# Altium PCB JDC-858D+HAKKO907.PcbDoc (part 1 of 2)
Units mm, origin at the board's own origin, x right, y up, seen from the top; angles counter-clockwise.
Board outline 83 x 150 mm, 2 copper layers (Top Layer, Bottom Layer); 168 components, 101 nets, 415 pads, 39 vias.
Unrouted connection lines stored in the file: 10.
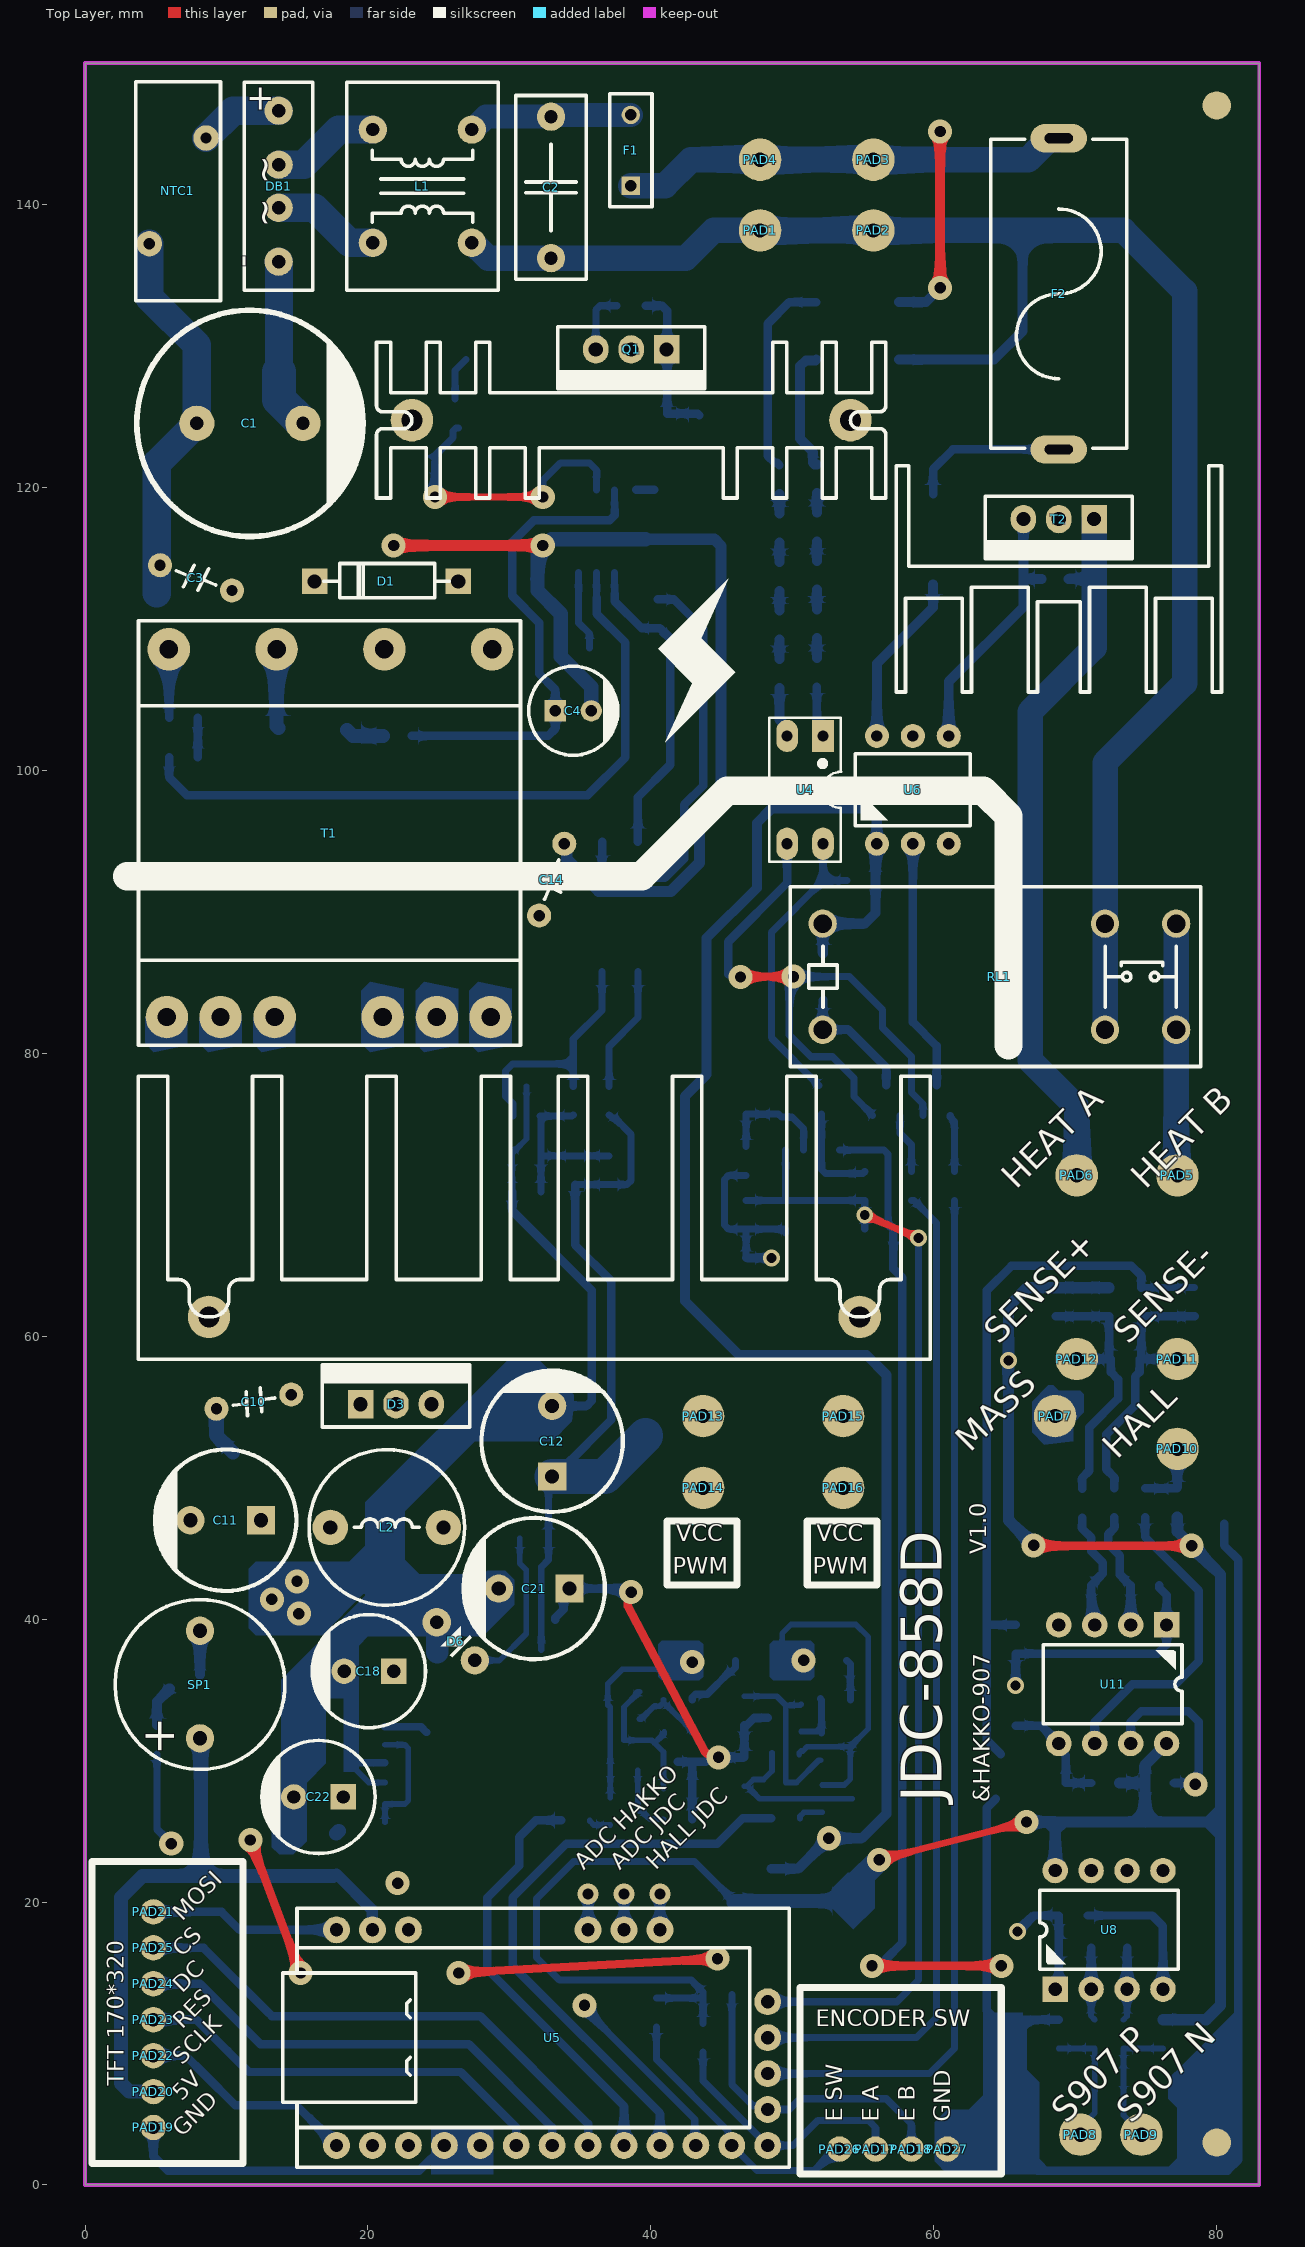
[diagram p0: Top Layer view]
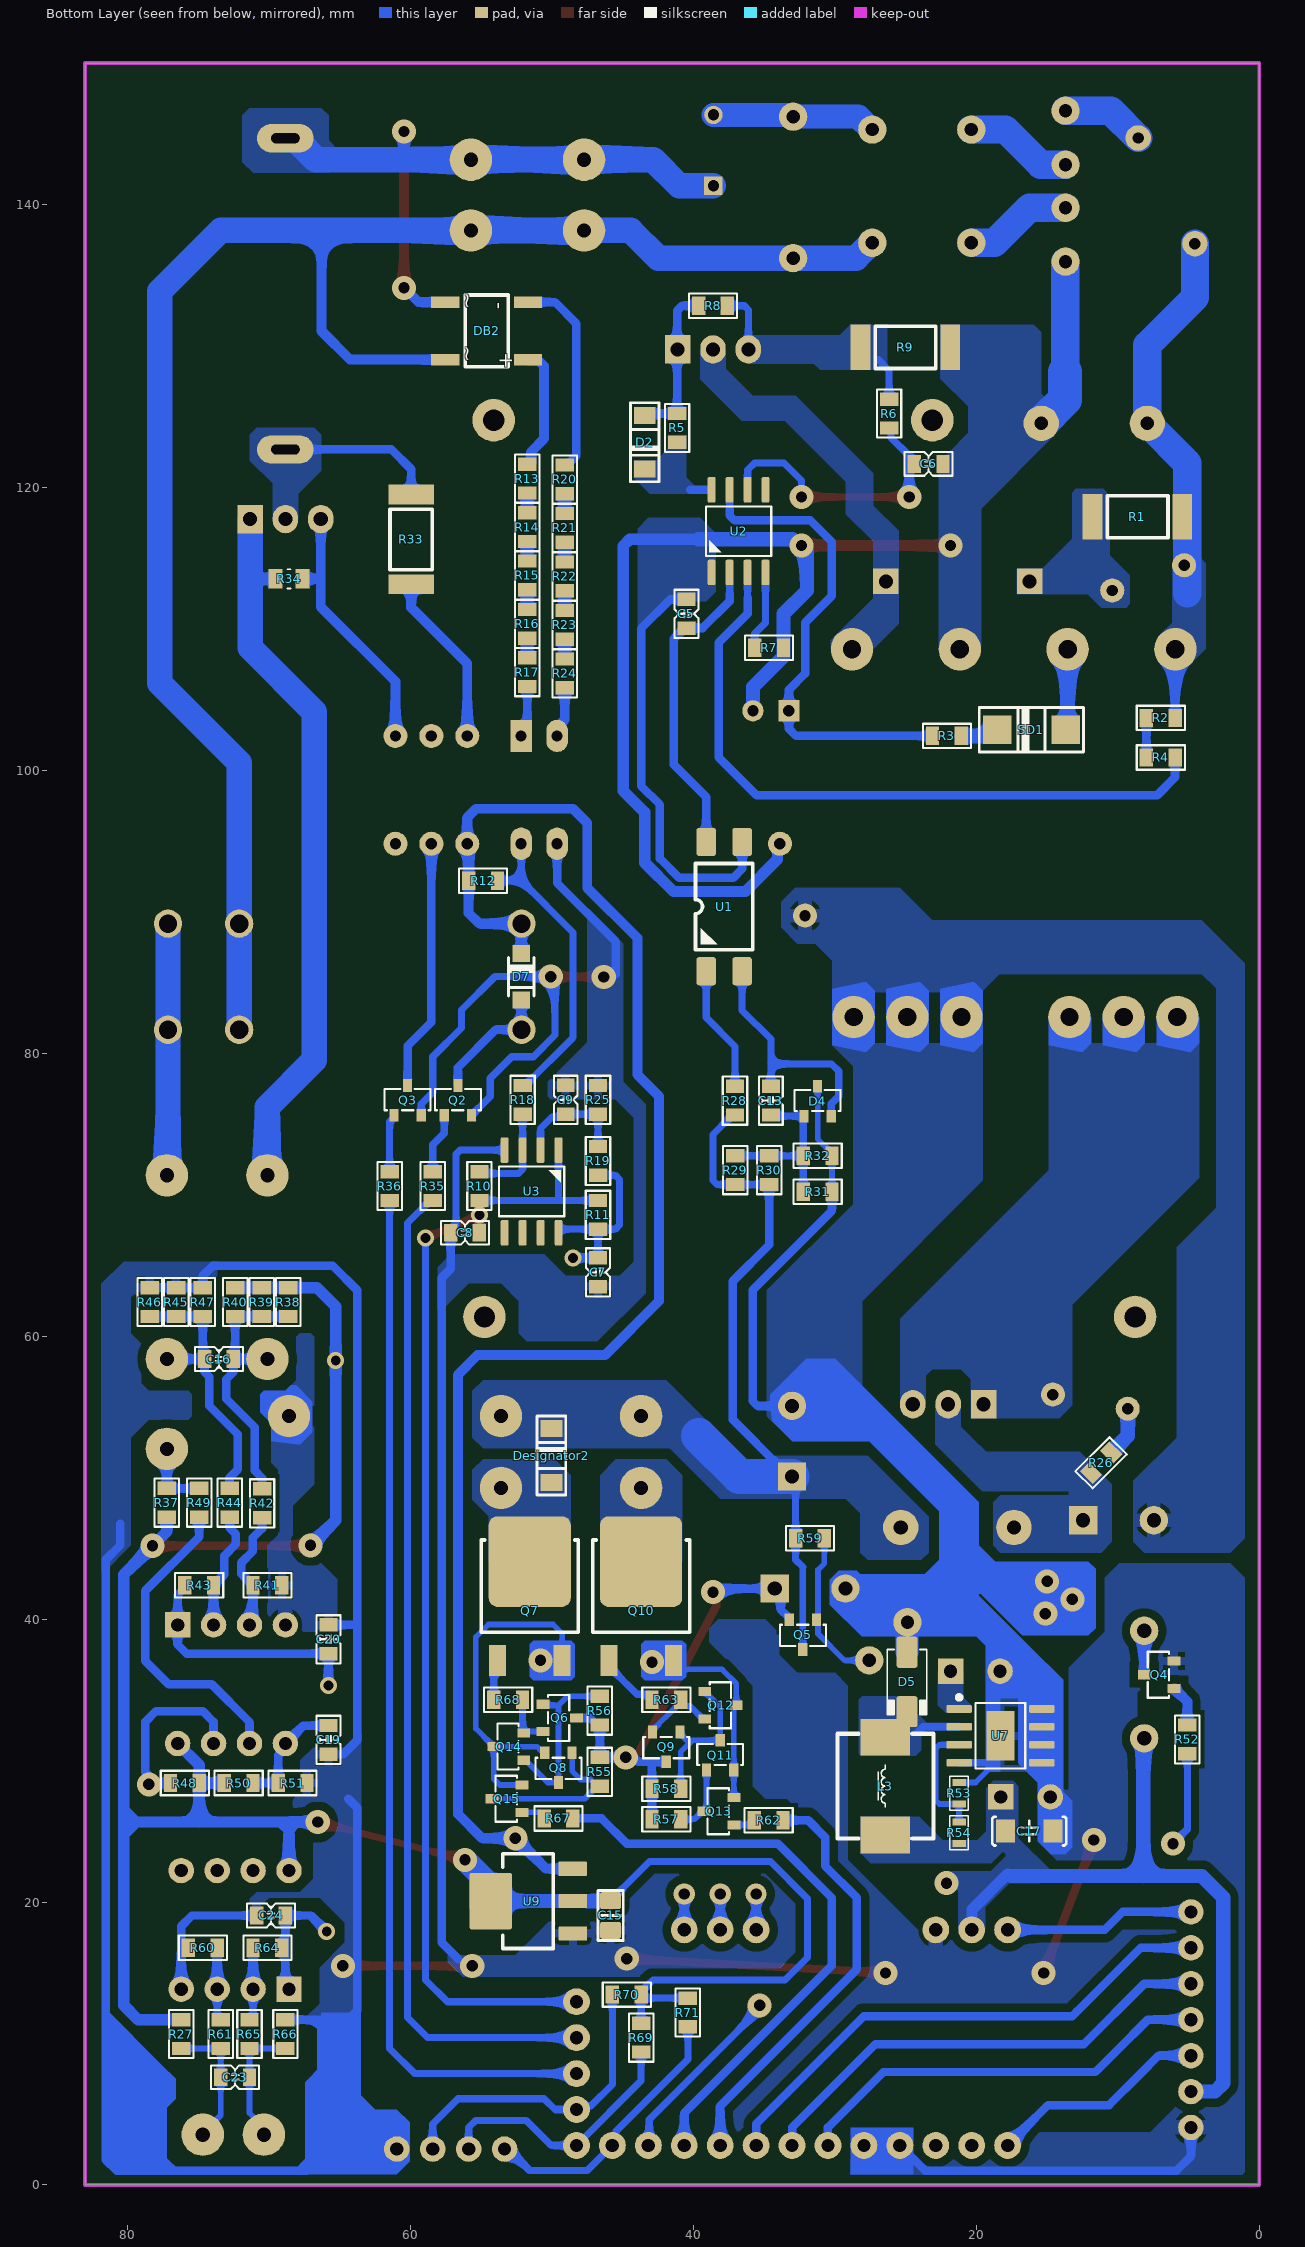
[diagram p1: Bottom Layer view, seen from below]

## Layer stack, top to bottom
Top Solder: solder mask 0.0102, Solder Resist, Dk 3.5
Top Layer: signal copper 0.0356
Dielectric 1: dielectric 0.32, FR-4, Dk 4.8
Bottom Layer: signal copper 0.0356
Bottom Solder: solder mask 0.0102, Solder Resist, Dk 3.5

## Board outline
0,0 83,0 83,150 0,150

## Design rules (kind name [scope] priority, off if disabled: settings)
Clearance [All] p1: gap=0.4 ignorepadtopadclearanceinfootprint=FALSE except(0.6: Arc-Fill Arc-Poly Arc-Region Track-Fill Track-Poly Track-Region SMDPad-Fill SMDPad-Poly SMDPad-Region THPad-Fill THPad-Poly THPad-Region Via-Fill Via-Poly Via-Region Fill-Fill Fill-Poly Fill-Region Poly-Poly Poly-Region Region-Region)
PolygonConnect GND [InNet('GND') vs InNet('GND')] p1: thpad.connectstyle=Relief thpad.reliefconductorwidth=1 thpad.reliefentries=4 thpad.polygonreliefangle="90 Angle" thpad.airgapwidth=0.3 smdpad.connectstyle=Relief smdpad.reliefconductorwidth=0.6 smdpad.reliefentries=4 smdpad.polygonreliefangle="90 Angle" smdpad.airgapwidth=0.3 via.connectstyle=Direct via.reliefconductorwidth=0.254 via.reliefentries=4 via.polygonreliefangle="90 Angle" via.airgapwidth=0.254
PolygonConnect OTHER [All] p2: connectstyle=Direct reliefconductorwidth=0.254 reliefentries=4 polygonreliefangle="90 Angle" airgapwidth=0.254
RoutingVias [All] p1: holewidth=0.711 width=1.27 viastyle="Through Hole" minholewidth=0.3 minwidth=0.7 maxholewidth=0.4 maxwidth=1.27
SolderMaskExpansion [All] p1: expansion=0.102 istentingtop=FALSE
Width [All] p1: maxlimit=3 minlimit=0.254 preferedwidth=0.254
30 further rules are at their usual default settings.

## Classes and differential pairs
component class quick-907: C23 C24 PAD8 PAD9 PAD15 PAD16 Q6 Q7 Q8 Q14 Q15 R27 R55 R56 R60 R61 R64 R65 R66 R67 R68 U8
component class hot_air: C1 C2 C3 C4 C5 C6 C7 C8 C9 C10 C11 C12 C13 C14 C15 C16 C17 C18 C19 C20 C21 C22 D1 D2 D3 D4 D5 D6 D7 DB1 DB2 F1 F2 L1 L2 L3 NTC1 PAD1 PAD2 PAD3 PAD4 PAD5 PAD6 PAD7 PAD10 PAD11 PAD12 PAD13 PAD14 PAD17 PAD18 PAD19 PAD20 PAD21 PAD22 PAD23 PAD24 PAD25 PAD26 PAD27 Q1 Q2 Q3 Q4 Q5 Q9 Q10 Q11 Q12 Q13 R1 R2 R3 R4 R5 R6 R7 R8 R9 R10 R11 R12 R13 R14 R15 R16 R17 R18 R19 R20 R21 R22 R23 R24 R25 R26 R28 R29 R30 R31 R32 R33 R34 R35 R36 R37 R38 R39 R40 R41 R42 R43 R44 R45 R46 R47 R48 R49 R50 R51 R52 R53 R54 R57 R58 R59 R62 R63 R69 R70 R71 RL1 SD1 SP1 T1 T2 U1 U2 U3 U4 U5 U6 U7 U9 U11

## Components (designator, comment, footprint, x,y, rotation, side; value= is the part's Value field where it differs from the comment)
C1 "82uF/400V" CAP-TH-16MM 11.655,124.53 r0 top
C2 "X2-222-250v" CAPACITOR-X2_10MM 32.943,141.206 r270 top
C3 "470nF/1kV" CAP-HV 7.845,113.608 r180 top
C4 "22uF/50V" CAP-TH-6.3MM 34.515,104.21 r0 top
C5 "22nF" C0805#1 40.484,111.068 r270 bottom
C6 "100nF" C0805#1 23.368,121.666 r0 bottom
C7 "100uF" C0805#1 46.736,64.516 r270 bottom
C8 "10pF" C0805#1 56.134,67.31 r180 bottom
C9 "2.2uF" C0805#1 49.022,76.708 r90 bottom
C10 "222/1KV" CAP-HV 11.938,55.372 r210 top
C11 "1000uF/35V" CAP-TH-10MM 9.946,46.99 r180 top
C12 "1000uF/35V" CAP-TH-10MM 33.02,52.578 r90 top
C13 "33nF" C0805#1 34.515,76.651 r90 bottom
C14 "222/1kV" CAP-HV 32.991,92.272 r270 top
C15 "100nF" C0805#2 45.847,19.05 r0 bottom
C16 "100uF" C0805#1 73.533,58.388 r0 bottom
C17 "100nF" C1206 16.256,25.019 r0 bottom
C18 "1000uF" CAP-TH-8MM 20.066,36.322 r180 top
C19 "100uF" C0805#1 65.786,31.464 r270 bottom
C20 "100uF" C0805#1 65.786,38.576 r90 bottom
C21 "220uF" CAP-TH-10MM 31.748,42.162 r180 top
C22 "1000uF" CAP-TH-8MM 16.51,27.432 r180 top
C23 "100uF" C0805#1 72.39,7.62 r180 bottom
C24 "100uF" C0805#1 69.85,19.05 r0 bottom
D1 "1N4007" DIODE/POW/1A 26.387,113.354 r180 top
D2 "1N4148" LL-34(MiniMELF) 43.434,123.19 r0 bottom
D3 "B20100G" TO-220 21.984,57.982 r0 top
D4 "TL431" SOT-23#1 31.213,76.651 r180 bottom
D5 "1N5822/SS34" DO-214AC(SMA)#1 24.892,35.56 r270 bottom value=1N4007
D6 "12V" DO-41_V 24.865,39.778 r315 top
D7 "" SOD-123F 52.168,85.414 r180 bottom
DB1 "KPB210" KBP210 13.687,141.294 r270 top
DB2 "KPB210" ABS210 54.61,131.064 r180 bottom
Designator2 "Comment" LL-34(MiniMELF) 50.038,51.562 r180 bottom
F1 "3.15A/250V" FUSE-3.15A-250V 38.579,143.834 r90 top
F2 "10A" FUSE-TH-5*20 68.834,133.682 r270 top
L1 "UU9.8mH" UU9.8-7X8MM 23.847,141.294 r270 top
L2 "10mH" INDUCTOR-TH-8mm 21.336,46.482 r0 top
L3 "47uH" L-SMD-06030-7.4x6.6X3 26.416,28.194 r180 bottom value="150 mH"
NTC1 "5D-9" XD-13 6.575,140.913 r0 top
PAD1 "Pad_Through_Hole" THROUGH_HOLE_MEDIUM#1 47.723,135.037 r270 top
PAD2 "Pad_Through_Hole" THROUGH_HOLE_MEDIUM#2 50.448,131.582 r0 top
PAD3 "Pad_Through_Hole" THROUGH_HOLE_MEDIUM#3 52.803,143.165 r0 top
PAD4 "Pad_Through_Hole" THROUGH_HOLE_MEDIUM#4 47.723,143.165 r0 top
PAD5 "HEAT" THROUGH_HOLE_MEDIUM#4 77.216,71.374 r90 top
PAD6 "HEAT" THROUGH_HOLE_MEDIUM#4 70.104,71.374 r90 top
PAD7 "MASS" THROUGH_HOLE_MEDIUM#4 68.58,54.356 r90 top
PAD8 "SENSE_HAKKO-" THROUGH_HOLE_MEDIUM#4 70.358,3.556 r270 top
PAD9 "SENSE_HAKKO+" THROUGH_HOLE_MEDIUM#4 74.676,3.556 r270 top
PAD10 "HALL" THROUGH_HOLE_MEDIUM#4 77.216,52.038 r90 top
PAD11 "GND_SENSE" THROUGH_HOLE_MEDIUM#4 77.216,58.388 r90 top
PAD12 "SENSE" THROUGH_HOLE_MEDIUM#4 70.104,58.388 r90 top
PAD13 "JDC-FAN+" THROUGH_HOLE_MEDIUM#4 43.688,54.356 r90 top
PAD14 "JDC-FAN-" THROUGH_HOLE_MEDIUM#4 43.688,49.276 r90 top
PAD15 "HAKKO_HEAT" THROUGH_HOLE_MEDIUM#4 53.594,54.356 r90 top
PAD16 "HAKKO_HEAT" THROUGH_HOLE_MEDIUM#4 53.594,49.276 r90 top
PAD17 "Pad_Through_Hole" THROUGH_HOLE_SMALL 55.88,2.54 r0 top
PAD18 "Pad_Through_Hole" THROUGH_HOLE_SMALL 58.42,2.54 r180 top
PAD19 "Pad_Through_Hole" THROUGH_HOLE_SMALL 4.826,4.064 r180 top
PAD20 "Pad_Through_Hole" THROUGH_HOLE_SMALL 4.826,6.604 r180 top
PAD21 "Pad_Through_Hole" THROUGH_HOLE_SMALL 4.826,19.304 r180 top
PAD22 "Pad_Through_Hole" THROUGH_HOLE_SMALL 4.826,9.144 r180 top
PAD23 "Pad_Through_Hole" THROUGH_HOLE_SMALL 4.826,11.684 r180 top
PAD24 "Pad_Through_Hole" THROUGH_HOLE_SMALL 4.826,14.224 r180 top
PAD25 "Pad_Through_Hole" THROUGH_HOLE_SMALL 4.826,16.764 r180 top
PAD26 "Pad_Through_Hole" THROUGH_HOLE_SMALL 53.34,2.54 r0 top
PAD27 "Pad_Through_Hole" THROUGH_HOLE_SMALL 60.96,2.54 r180 top
Q1 "20N60" TO-220 38.608,126.964 r180 top
Q2 "SS8050" SOT-23#1 56.642,76.708 r180 bottom
Q3 "SS8050" SOT-23#1 60.198,76.708 r180 bottom
Q4 "SS8050" SOT-23#1 7.112,36.068 r90 bottom
Q5 "SS8050" SOT-23#1 32.258,38.862 r0 bottom
Q6 "SS8050" SOT-23#2 49.53,33.02 r270 bottom
Q7 "20N60" TO-252-2 51.562,41.402 r180 bottom
Q8 "SS8050" SOT-23#1 49.53,29.464 r0 bottom
Q9 "SS8050" SOT-23#1 41.91,30.93 r0 bottom
Q10 "20N60" TO-252-2 43.688,41.402 r180 bottom
Q11 "SS8050" SOT-23#1 38.1,30.422 r180 bottom
Q12 "SS8550" SOT-23#3 38.1,33.909 r270 bottom
Q13 "SS8050" SOT-23#1 38.227,26.416 r90 bottom
Q14 "SS8550" SOT-23#1 53.086,30.988 r90 bottom
Q15 "SS8050" SOT-23#1 53.213,27.305 r90 bottom
R1 "100K" R2512 8.607,117.926 r0 bottom
R2 "820K" R0805#1 6.956,103.702 r180 bottom
R3 "5.6R" R0805#1 22.069,102.432 r180 bottom
R4 "820K" R0805#1 6.956,100.908 r0 bottom
R5 "27R" R0805#1 41.148,124.206 r90 bottom
R6 "100R" R0805#1 26.162,125.222 r90 bottom
R7 "24K" R0805#1 34.642,108.655 r0 bottom
R8 "10K" R0805#1 38.608,132.842 r0 bottom
R9 "0.33R" R2512 25.015,129.907 r0 bottom
R10 "100K" R0805#1 55.118,70.612 r90 bottom
R11 "10K" R0805#1 46.736,68.58 r270 bottom
R12 "10k" R0805#1 54.864,92.202 r0 bottom
R13 "10k" R0805#1 51.73,120.615 r270 bottom
R14 "10k" R0805#1 51.73,117.196 r270 bottom
R15 "10k" R0805#1 51.73,113.776 r270 bottom
R16 "10k" R0805#1 51.73,110.357 r270 bottom
R17 "10k" R0805#1 51.73,106.937 r270 bottom
R18 "10K" R0805#1 52.07,76.708 r90 bottom
R19 "3.3K" R0805#1 46.736,72.39 r270 bottom
R20 "10k" R0805#1 49.087,120.564 r270 bottom
R21 "10k" R0805#1 49.087,117.135 r270 bottom
R22 "10k" R0805#1 49.087,113.706 r270 bottom
R23 "10k" R0805#1 49.087,110.277 r270 bottom
R24 "10k" R0805#1 49.087,106.848 r270 bottom
R25 "3.3k" R0805#1 46.736,76.708 r90 bottom
R26 "6.8R" R0805#1 11.176,51.054 r315 bottom
R27 "1K" R0805#1 76.2,10.668 r90 bottom
R28 "7.5K" R0805#1 37.055,76.651 r90 bottom
R29 "33K" R0805#1 37.027,71.736 r270 bottom
R30 "33K" R0805#1 34.642,71.736 r270 bottom
R31 "4.7K" R0805#1 31.213,70.212 r0 bottom
R32 "4.7K" R0805#1 31.213,72.752 r0 bottom
R33 "1K" R2512 59.944,116.332 r90 bottom
R34 "100k" R0805#2 68.58,113.538 r180 bottom
R35 "1K" R0805#1 58.42,70.612 r270 bottom
R36 "1K" R0805#1 61.468,70.612 r270 bottom
R37 "100K" R0805#1 77.216,48.228 r270 bottom
R38 "2.2K" R0805#1 68.636,62.414 r90 bottom
R39 "2.2K" R0805#1 70.513,62.414 r90 bottom
R40 "2.2K" R0805#1 72.39,62.414 r90 bottom
R41 "33K" R0805#1 70.104,42.386 r0 bottom
R42 "2.2K" R0805#1 70.485,48.19 r270 bottom
R43 "33K" R0805#1 74.93,42.386 r180 bottom
R44 "2.2K" R0805#1 72.771,48.228 r270 bottom
R45 "2.2K" R0805#1 76.553,62.414 r90 bottom
R46 "2.2K" R0805#1 78.43,62.414 r90 bottom
R47 "2.2K" R0805#1 74.676,62.414 r90 bottom
R48 "10K" R0805#1 75.946,28.416 r180 bottom
R49 "10K" R0805#1 74.93,48.228 r270 bottom
R50 "2.2K" R0805#1 72.136,28.416 r0 bottom
R51 "10K" R0805#1 68.326,28.416 r0 bottom
R52 "1K" R0805#1 5.08,31.496 r270 bottom
R53 "12.7K/1%" R0603 21.209,27.686 r270 bottom
R54 "39K/1%" R0603 21.209,24.892 r270 bottom
R55 "1K" R0805#1 46.609,29.21 r270 bottom
R56 "500R" R0805#1 46.609,33.528 r90 bottom
R57 "1K" R0805#1 41.91,25.85 r180 bottom
R58 "500R" R0805#1 41.91,28.009 r180 bottom
R59 "1K" R0805#1 31.75,45.72 r180 bottom
R60 "33K" R0805#1 74.676,16.764 r180 bottom
R61 "2.2K" R0805#1 73.406,10.668 r90 bottom
R62 "10K" R0805#1 34.671,25.781 r0 bottom
R63 "100R" R0805#1 41.91,34.29 r180 bottom
R64 "33K" R0805#1 70.104,16.764 r0 bottom
R65 "2.2K" R0805#1 71.374,10.668 r90 bottom
R66 "1K" R0805#1 68.834,10.668 r90 bottom
R67 "10K" R0805#1 49.53,25.908 r0 bottom
R68 "100R" R0805#1 53.086,34.29 r180 bottom
R69 "3.3K" R0805#1 43.688,10.414 r270 bottom
R70 "3.3K" R0805#1 44.704,13.462 r0 bottom
R71 "3.3K" R0805#1 40.386,12.192 r270 bottom
RL1 "HF115F-I" HF115F-I 64.36,85.414 r0 top
SD1 "1N5820/SS34" DO-214AC(SMA)#2 16.227,102.813 r90 bottom
SP1 "Buzzer" Buzzer 8.128,35.377 r0 top
T1 "Transformer-Flyback" EE.27 17.243,95.574 r270 top
T2 "BTA-16" TO-220 68.834,114.964 r180 top
U1 "PC817" SMD-4 37.817,90.367 r90 bottom
U2 "CR6842S-16030AA" SOP-8 36.801,116.91 r90 bottom
U3 "LM393" SOP-8 51.435,70.231 r270 bottom
U4 "PC817" PC817 52.168,102.432 r180 top
U5 "RP2040" RP2040-MICROPRO 49.784,10.414 r90 top
U6 "MOC3021" DIP-6 55.978,94.812 r90 top
U7 "XL1509-ADJ" SOP-8-PAD 18.288,31.75 r180 bottom
U8 "MCP6002" DIP-8 72.39,18.034 r0 top
U9 "AMS1117-3.3" SOT223 51.689,20.066 r90 bottom
U11 "MCP6002" DIP-8 72.644,35.401 r180 top

## Footprints (in the part's own frame and the unit in brackets; to place one, negate y for a bottom-side part, rotate by r counter-clockwise, add the part's x,y. Pads: shape width x height; smd on the part's side, far side on the other; paste and mask are expansions set on the pad)
ABS210 [mm]
  rect 2x0.8 smd: 1(2.921,-2.032) 2(-2.921,2.032) 3(-2.921,-2.032) 4(2.921,2.032)
  silkscreen extent -1.52,-2.54 1.52,2.54, body extent -3.2,-2.52 3.2,2.53, height 1.7
Buzzer [mm]
  round 2 hole 1: 1(0,-3.8) 2(0,3.8)
  silkscreen extent -6,-6 6,6, body extent -6,-6 6,6, height 9.5
C0805#1 [mm]
  rect 0.95x1.26 smd: 1(-1.016,0) 2(1.016,0)
  silkscreen extent -1.7,-0.84 1.7,0.84, body extent -1.01,-0.63 1,0.62, height 0.94
C0805#2 [mm]
  rrect30% 1.5x1.2 smd: 1(0,1.05) 2(0,-1.05)
  silkscreen extent -0.89,-1.78 0.89,1.78, body extent -0.67,-1.05 0.68,1.05, height 0.95
C1206 [mm]
  rect 1.35x1.6 smd: 1(-1.676,0) 2(1.676,0)
  silkscreen extent -2.62,-1.02 2.62,1.02, body extent -1.6,-0.8 1.6,0.8, height 0.94
CAP-HV [mm]
  round 1.7 hole 0.8: 1(-2.54,0.889) 2(2.54,-0.889)
  silkscreen extent -1.4,-0.89 1.4,0.89, body extent -3.74,-1.93 3.74,1.93, height 10.75
CAP-TH-6.3MM [mm]
  rect 1.5x1.5 hole 0.8: 1(-1.27,0)
  round 1.5 hole 0.8: 2(1.269,0)
  silkscreen extent -3.15,-3.15 3.15,3.15, body extent -3.15,-3.15 3.15,3.15, height 11.7
CAP-TH-8MM [mm]
  rect 1.8x1.8 hole 0.94: 1(-1.75,0)
  round 1.8 hole 0.94: 2(1.75,0)
  silkscreen extent -4,-4 4,4, body extent -4,-4 4,4, height 14.1
CAP-TH-10MM [mm]
  rect 2x2 hole 1: 1(-2.5,0)
  round 2 hole 1: 2(2.5,0)
  silkscreen extent -5,-5 5,5, body extent -5,-5 5,5, height 4.25
CAP-TH-16MM [mm]
  round 2.5 hole 0.94: 1(-3.75,0) 2(3.75,0)
  silkscreen extent -8,-8 8,8, body extent -8,-8 8,8, height 26.2
CAPACITOR-X2_10MM [mm]
  round 2 hole 0.94: 1(-5,0) 2(5,0)
  silkscreen extent -6.5,-2.5 6.5,2.5, body extent -6.5,-2.5 6.5,2.5, height 11.05
DIODE/POW/1A [mm]
  rect 1.8x1.8 hole 1: 1(0,0) 2(10.16,0)
  silkscreen extent 0.64,-1.27 9.53,1.14, body extent -0.38,-1.28 10.54,1.28, height 2.55
DIP-6 [mm]
  round 1.7 hole 0.8: 1(0,0) 2(0,-2.54) 3(0,-5.08) 4(7.62,-5.08) 5(7.62,-2.54) 6(7.62,0)
  silkscreen extent 1.27,-6.6 6.35,1.52, body extent -0.15,-6.94 7.77,1.86, height 4
DIP-8 [mm]
  rect 1.8x1.8 hole 0.94: 1(-3.81,-4.191)
  round 1.8 hole 0.94: 2(-1.27,-4.191) 3(1.27,-4.191) 4(3.81,-4.191) 5(3.81,4.191) 6(1.27,4.191) 7(-1.27,4.191) 8(-3.81,4.191)
  silkscreen extent -4.9,-2.79 4.9,2.79, body extent -4.9,-4.57 4.9,4.57, height 4.1
DO-41_V [mm]
  round 2 hole 0.94: 1(0,0) 2(3.81,0)
  silkscreen extent 1.4,-1.02 2.54,1.02, body extent -1.35,-1.35 4.24,1.36, height 9.38
DO-214AC(SMA)#1 [mm]
  round 0.508 on Mech15: 0(0,0)
  rrect25% 2.2x1.5 smd: 1(-2.1,0) 2(2.1,0)
  silkscreen extent -2.3,-1.4 2.3,1.4, body extent -2.61,-1.5 2.67,1.42, height 2.41
DO-214AC(SMA)#2 [mm]
  rect 2x2 smd: 1(0.049,-2.546) 2(0.049,2.292)
  silkscreen extent -1.52,-3.81 1.62,3.56, body extent -1.43,-2.93 1.52,2.67, height 2.9
EE.27 [mm]
  round 3 hole 1.3: 1(-12.986,11.538) 2(-12.986,3.918) 3(-12.986,-3.702) 4(-12.986,-11.322) 5(13.014,-11.462) 5(13.014,-11.462) 6(13.014,-7.664) 7(13.014,-3.832) 8(13.014,3.798) 9(13.014,7.63) 10(13.014,11.428)
  silkscreen extent -14.99,-13.46 15.01,13.54, body extent -14.99,-13.46 15.01,13.54, height 26
FUSE-3.15A-250V [mm]
  rect 1.3x1.3 hole 0.8: 1(-2.5,0)
  round 1.3 hole 0.8: 2(2.5,0)
  silkscreen extent -4,-1.5 4,1.5, body extent -4,-1.5 4,1.5, height 8
FUSE-TH-5*20 [mm]
  oval 2x4 hole 2 slot 0.7 at 0 deg: 1(-11,0) 2(11,0)
  silkscreen extent -10.92,-4.8 10.92,4.8, body extent -11.35,-4.8 11.35,4.8, height 12
HF115F-I [mm]
  round 2 hole 1.3: 1(-12.215,3.75) 2(-12.215,-3.75) 3(7.744,3.75) 4(7.744,-3.75) 5(12.774,3.75) 6(12.774,-3.75)
  silkscreen extent -14.5,-6.35 14.5,6.35, body extent -14.5,-6.35 14.5,6.35, height 15.8
INDUCTOR-TH-8mm [mm]
  round 2.5 hole 1: 1(-4,0) 2(4,0)
  silkscreen extent -5.5,-5.5 5.5,5.5, body extent -5.85,-5.85 5.85,5.85, height 12
KBP210 [mm]
  round 2 hole 0.94: 1(-5.334,0) 2(-1.524,0) 3(1.524,0) 4(5.334,0)
  silkscreen extent -7.36,-2.42 7.36,2.42, body extent -7.36,-2.42 7.36,2.42, height 12.19
L-SMD-06030-7.4x6.6X3 [mm]
  rect 3.5x2.6 smd: 1(0,3.45) 2(0,-3.45)
  silkscreen extent -3.4,-3.7 3.4,3.7, body extent -3.4,-4.1 3.4,4.1, height 3
LL-34(MiniMELF) [mm]
  rect 1.55x1.2 smd: 1(0,-1.9) 2(0,1.9)
  silkscreen extent -1.02,-2.79 1.02,2.79, body extent -0.8,-1.85 0.8,1.85, height 1.63
PC817 [mil] "4 PIN, W 300mil, Pin to pin 100mil"
  rect 60x90 hole 31: 1(0,0)
  oval 60x90 hole 31: 2(100,0) 3(100,300) 4(0,300)
  silkscreen extent -50,-50 150,350, body extent -40,-5 146,305, height 185
R0603 [mm]
  rect 0.5x0.97 smd: 1(-0.76,0) 2(0.76,0)
  silkscreen extent -1.19,-0.66 1.19,0.66, body extent -0.78,-0.42 0.77,0.43, height 0.49
R0805#1 [mm]
  rect 0.94x1.3 smd: 1(-1.016,0) 2(1.016,0)
  silkscreen extent -1.7,-0.86 1.7,0.86, body extent -1,-0.62 1,0.63, height 0.45
R0805#2 [mm]
  rect 1.01x1.38 smd: 1(-0.95,0) 2(0.95,0)
  silkscreen extent -0.12,-0.68 0.12,0.68, body extent -1.26,-0.63 1.26,0.62, height 0.5
R2512 [mm]
  rect 1.4x3.2 smd: 1(-3.175,0) 2(3.175,0)
  silkscreen extent -2.16,-1.5 2.13,1.5, body extent -3.15,-1.6 3.15,1.6, height 0.66
RP2040-MICROPRO [mm]
  round 1.9 hole 0.94: 1(-7.62,32.004) 2(-7.62,29.464) 3(-7.62,26.924) 4(-7.62,24.384) 5(-7.62,21.844) 6(-7.62,19.304) 7(-7.62,16.764) 8(-7.62,14.224) 9(-7.62,11.684) 10(-7.62,9.144) 11(-7.62,6.604) 12(-7.62,4.064) 13(-7.62,1.524) 14(-5.08,1.524) 15(-2.54,1.524) 16(0,1.524) 17(2.54,1.524) 22(7.62,9.144) 23(7.62,11.684) 24(7.62,14.224) 29(7.62,26.924) 30(7.62,29.464) 31(7.62,32.004)
  silkscreen extent -9.15,0 9.15,35.81, body extent -9.15,0 9.15,36.2, height 6.76
SMD-4 [mm]
  rrect30% 2x1.4 smd: 1(-4.572,1.27) 2(-4.572,-1.27) 3(4.572,-1.27) 4(4.572,1.27)
  silkscreen extent -3.05,-2.03 3.05,2.03, body extent -5,-2.29 5,2.29, height 4
SOD-123F [mm]
  rect 1.22x1.2 smd: 1(0,-1.646) 2(0,1.646)
  silkscreen extent -0.9,-1.37 0.9,1.37, body extent -0.9,-1.9 0.9,1.9, height 1.02
SOP-8 [mm]
  rrect35% 1.8x0.55 smd: 1(-2.921,1.905) 2(-2.921,0.635) 3(-2.921,-0.635) 4(-2.921,-1.905) 5(2.921,-1.905) 6(2.921,-0.635) 7(2.921,0.635) 8(2.921,1.905)
  silkscreen extent -1.75,-2.31 1.75,2.31, body extent -3.11,-2.5 3.11,2.5, height 1.87
SOP-8-PAD [mm]
  rrect35% 1.8x0.55 smd: 1(-2.921,1.905) 2(-2.921,0.635) 3(-2.921,-0.635) 4(-2.921,-1.905) 5(2.921,-1.905) 6(2.921,-0.635) 7(2.921,0.635) 8(2.921,1.905)
  rect 2x3.5 smd: 9(0,0)
  silkscreen extent -3.02,-2.31 1.75,2.82, body extent -3.11,-2.5 3.11,2.5, height 1.87
SOT223 [mm]
  rrect10% 1x2 smd: 1(-2.286,-3.175) 2(0,-3.175) 3(2.286,-3.175)
  rrect10% 4x3 smd: 4(0,2.634)
  silkscreen extent -3.35,-1.78 3.35,1.78, body extent -3.35,-3.65 3.35,3.65, height 1.8
SOT-23#1 [mm]
  rect 0.65x0.9 smd: 1(-0.965,-1.095) 2(0.965,-1.095) 3(0,1.016)
  silkscreen extent -1.63,-0.74 1.63,0.76, body extent -1.5,-1.25 1.5,1.25, height 1.1
SOT-23#2 [mm]
  rect 0.65x0.9 smd: 1(-0.965,-1.095) 2(0.965,-1.095) 3(0,1.27)
  silkscreen extent -1.63,-0.74 1.63,0.76, body extent -1.5,-1.25 1.5,1.25, height 1.1
SOT-23#3 [mm]
  rect 0.65x0.9 smd: 1(-0.965,-1.095) 2(0.965,-1.095) 3(0,1.143)
  silkscreen extent -1.63,-0.74 1.63,0.76, body extent -1.5,-1.25 1.5,1.25, height 1.1
THROUGH_HOLE_MEDIUM#1 [mm]
  round 3 hole 1: 1(-3.128,0)
THROUGH_HOLE_MEDIUM#2 [mm]
  round 3 hole 1: 1(5.275,6.582)
THROUGH_HOLE_MEDIUM#3 [mm]
  round 3 hole 1: 1(2.92,0)
THROUGH_HOLE_MEDIUM#4 [mm]
  round 3 hole 1: 1(0,0)
THROUGH_HOLE_SMALL [mm]
  round 1.8 hole 0.94: 1(0,0)
TO-220 [mm]
  rect 1.8x2 hole 1: 1(-2.5,-2.794)
  oval 1.8x2 hole 1: 2(0,-2.794) 3(2.5,-2.794)
  silkscreen extent -5.2,-4.4 5.2,0, body extent -5.2,-4.4 5.2,0, height 19
TO-252-2 [mm]
  rect 1.2x2.2 smd: 1(-2.286,-4.318) 3(2.286,-4.318)
  rrect20% 5.8x6.4 smd: 2(0,2.667)
  silkscreen extent -3.43,-2.34 3.43,4.19, body extent -3.25,-4.99 3.25,4.99, height 2.35
UU9.8-7X8MM [mm]
  round 2 hole 0.94: 1(-4,3.5) 2(-4,-3.5) 3(4,-3.5) 4(4,3.5)
  silkscreen extent -7.35,-5.35 7.35,5.35, body extent -7.35,-5.35 7.35,5.35, height 14
XD-13 [mm]
  round 1.8 hole 0.8: 1(1.981,3.785) 2(-2.032,-3.683)
  silkscreen extent -3,-7.72 3,7.78, body extent -3.03,-7.7 2.97,7.8, height 20.5

## Part data
C1 C4 C11 C12 C18 C21 C22: library part Capacitor_polar
C2 C3 C5 C6 C7 C8 C9 C10 C13 C14 C15 C16 C17 C19 C20 C23 C24: library part Capacitor_non-polar
D1 D2 D6 D7: library part Diode
D3: library part Diode-HC
D5: library part "Diode  Schottky", "Diode  Schottky"
DB1 DB2: library part H-Bridge
F1 F2: library part FUSE
L1: library part Inductor-AC
L2: library part Inductor
L3: library part inductor-SMD, "inductor-SMD"
NTC1: library part NTC
PAD5 PAD6 PAD7 PAD8 PAD9 PAD10 PAD11 PAD12 PAD13 PAD14 PAD15 PAD16: library part Pad_Through_Hole
Q1 Q7 Q10: library part MOSFET_N-Chanel
Q2 Q3 Q4 Q5 Q6 Q8 Q9 Q11 Q13 Q15: library part Transistor-NPN
Q12 Q14: library part Transistor-PNP
R1 R2 R3 R4 R5 R6 R7 R8 R10 R11 R12 R13 R14 R15 R16 R17 R18 R19 R20 R21 R22 R23 R24 R25 R26 R27 R28 R29 R30 R31 R32 R33 R34 R35 R36 R37 R38 R39 R40 R41 R42 R43 R44 R45 R46 R47 R48 R49 R50 R51 R52 R55 R56 R57 R58 R59 R60 R61 R62 R63 R64 R65 R66 R67 R68 R69 R70 R71: library part Resistor
R9: library part Resistor_Shunt
R53 R54: library part RES, Case Code (Imperial)=0402, Case Code (Metric)=1005, Manufacturer="Stackpole Electronics", Manufacturer Part Number=RMCF0402FT10K0, Max Operating Temperature=155°C, Max Power Dissipation=63mW, Min Operating Temperature=-55°C, Ratings=AEC-Q200, Resistance=10kR, Temperature Coefficient=100ppm/°C, Tolerance=1%, Voltage Rating=50V, Case/Package=0402, Category="Chip SMD Resistors", ComponentLink1Description=https://datasheet.ciiva.com/24341/sei-rmcp-24341800.pdf?src-supplier=Onlinecomponents.com, ComponentLink1URL=https://datasheet.ciiva.com/24341/sei-rmcp-24341800.pdf?src-supplier=Onlinecomponents.com, Construction=Rectangular, Contact Plating=Tin,Matte, Depth=0.5mm, Features="Automotive AEC-Q200", Height=0.016inch, Lead Free="Lead Free", Length=1mm, Military Standard=Not, Mount="Surface Mount", Number of Terminations=2, Packaging="Tape and Reel", Power Rating=63mW, Pricing 1="1=0.1, 10=0.021, 50=0.0116, 100=0.0093, 500=0.00594, 1000=0.005, 5000=0.00345, 10000=0.00299, 20000=0.00261, 30000=0.00242, 50000=0.00221, 100000=0.00196 (USD)", Radiation Hardening=No, RoHS=Yes, RoHS Compliant=Yes, Series=RMCF, Size Code=0402, Stock 1=3729291, Supplier 1=Digikey, Width=0.02inch
RL1: library part Relay-NC
SD1: library part Diode_Schottky
SP1: library part Buzzer_5V
T2: library part Triac
U2: library part CR6842S
U3 U8 U11: library part Op-Amply/Comparator
U5: library part "ProMicro RP2040"
U6: library part Triac-Isolate
U7: library part XL1509-BUCK
U9: library part AMS1117

## Free pads (board coordinates)
  round 3 hole 1.5: ""(8.763,61.363) ""(23.108,124.75) ""(54.108,124.75) ""(54.763,61.363)
  round 2 smd: ""(80,3) ""(80,147)

## Via types
v1: diameter 1.7, hole 0.8, Top Layer to Bottom Layer, 30 vias
v2: diameter 1.2, hole 0.7, Top Layer to Bottom Layer, 6 vias
v3: diameter 1.5, hole 0.8, Top Layer to Bottom Layer, 3 vias

## Nets (pads, with @x,y where several pads share a name; then routed paths per layer and width w, separated by ;. In a path a pad name is that pad's centre, name@x,y a point inside that pad or via, vN(x,y) a via of type N, cw(c..) or ccw(c..) an arc to the next point about the centre after c; other vN are vias at no path point)
3.3V_BUS: C7.1 C15.2 R11.2 R19.2 R27.2 R37.2 R38.2 R39.2 R40.2 R48.2 R50.2 R69.1 R70.1 R71.1 U3.8 U8.8 U9.2 U9.4 U11.8 | length 176.8
  Top Layer w0.5: v1(56.134,22.987) v1(66.548,25.654)
  Top Layer w0.6: v1(67.056,45.212) 67.088,45.18 78.221,45.18 v1(78.226,45.185)
  Bottom Layer w0.5: R71.1@40.386,13.208 43.468,13.208 R70.1@43.688,13.428 ; R69.1@43.688,11.43 R70.1@43.688,13.428 ; C15.2@45.847,20.1 45.697,20.1 45.347,20.45 45.347,20.6 43.087,22.86 34.544,22.86 31.922,20.238 31.922,16.084 33.528,14.478 42.852,14.478 43.688,13.642 R70.1@43.688,13.462 R70.1@43.688,13.428 ; C7.1@46.736,65.532 R11.2@46.736,67.564 ; R19.2@46.736,71.374 45.505,71.374 45.212,71.081 45.212,67.857 45.505,67.564 R11.2@46.736,67.564 ; U3.8@49.53,67.31 49.53,67.539 49.505,67.564 R11.2@46.736,67.564
  Bottom Layer w0.6: C7.1@46.736,65.532 v2(48.514,65.532)
  Bottom Layer w0.8: v1(66.548,25.654) 68.604,25.654 ; v1(67.056,45.212) 65.278,46.99 v2(65.278,58.293) 65.278,62.103 66.605,63.43 R38.2@68.636,63.43 R39.2@70.513,63.43 R40.2@72.39,63.43 ; U8.8@68.58,22.225 68.58,25.63 68.604,25.654 ; R50.2@73.152,28.416 R48.2@74.93,28.416 ; R27.2@76.2,11.684 79.248,11.684 80.264,12.7 80.264,25.556 80.264,43.148 v1(78.226,45.185) 77.216,46.196 R37.2@77.216,47.212 ; U11.8@76.454,31.21 74.93,29.686 R48.2@74.93,28.416 ; 80.166,25.654 74.93,25.654 ; 68.604,25.654 74.93,25.654 ; 74.93,25.654 R48.2@74.93,28.416
  Bottom Layer w1: C15.2@45.847,19.973 45.94,20.066 U9.4@54.323,20.066 55.323,21.066 55.323,22.051 56.134,22.862 v1(56.134,22.987)
5V: C17.2 C22.1 D7.2 L3.2 PAD20.1 R12.2 R54.2 RL1.1 SP1.1 U5.30 U6.1 U9.3 | length 161.4
  Bottom Layer w0.7: U9.3@48.514,22.352 50.419,22.352 v1(52.578,24.511) 54.929,24.511 56.642,26.224 56.642,57.277 55.245,58.674 46.228,58.674 42.418,62.484 42.418,76.962 43.942,78.486 43.942,88.138 47.498,91.694 47.498,96.266 48.514,97.282 55.372,97.282 55.978,96.676 U6.1@55.978,94.812 55.88,94.714 55.88,89.916 55.128,89.164 RL1.1@52.145,89.164 52.156,89.153 52.156,87.071 D7.2@52.168,87.06
  Bottom Layer w0.8: 17.78,21.971 20.298,19.453 20.298,18.056 U5.30@20.32,18.034
  Bottom Layer w1: PAD20.1@4.826,6.604 3.126,6.604 2.54,7.19 2.54,20.32 4.064,21.844 8.191,21.844 ; SP1.1@8.128,31.577 8.191,31.514 8.191,21.844 ; 17.518,21.844 8.191,21.844 ; C17.2@17.757,24.844 C17.2@17.932,25.019
  other v1: 22.098,21.336
12V: C21.1 Q5.2 Q6.3 Q9.3 R55.1 R56.1 R57.1 R58.1 | length 33.9
  Top Layer w0.6: v1(38.608,41.91) 38.405,41.254 38.378,41.167 38.378,40.928 43.807,30.642 43.976,30.473 44.118,30.429 v1(44.775,30.226)
  Bottom Layer w0.6: Q5.2@33.223,39.957 33.248,39.982 33.248,40.107 33.827,40.686 33.827,41.741 C21.1@34.248,42.162 38.356,42.162 v1(38.608,41.91) ; Q9.3@41.91,29.914 43.109,29.914 ; R57.1@42.926,25.85 R58.1@42.926,28.009 42.926,29.731 43.109,29.914 ; Q6.3@48.26,33.02 47.297,33.02 46.789,32.512 R56.1@46.609,32.512 R55.1@46.609,30.226 v1(44.775,30.226) 44.196,30.226 43.884,29.914 43.109,29.914
AC-L: DB2.2 F1.1 F2.1 PAD3.1 PAD4.1 | length 48.2
  Top Layer w0.7: v1(60.452,134.112) v1(60.452,145.161)
  Bottom Layer w0.7: DB2.2@57.531,133.096 59.436,133.096 v1(60.452,134.112) ; 60.434,143.165 60.452,143.182 v1(60.452,145.161)
  Bottom Layer w1.8: F1.1@38.579,141.334 41.004,141.334 42.835,143.165 PAD4.1@47.723,143.165 PAD3.1@55.723,143.165 60.434,143.165 66.68,143.165 67.796,144.281 67.796,144.59 F2.1@68.834,144.59
AC-N: C2.2 DB2.3 L1.4 PAD1.1 PAD2.1 RL1.3 RL1.4 | length 124.6
  Bottom Layer w0.7: DB2.3@57.531,129.032 64.262,129.032 66.271,131.041 66.271,138.165
  Bottom Layer w1.8: L1.4@27.347,137.294 27.401,137.294 28.49,136.206 C2.2@32.943,136.206 42.48,136.206 44.439,138.165 PAD1.1@47.723,138.165 PAD2.1@55.723,138.165 66.271,138.165 73.417,138.165 77.724,133.858 77.724,106.172 72.104,100.552 RL1.3@72.104,89.164 RL1.4@72.104,81.664
ACDET: C8.2 R10.1 R11.1 U3.1 U5.17 | length 81.9
  Top Layer w0.5: v2(55.118,68.58) v2(58.928,66.929)
  Bottom Layer w0.5: R11.1@46.736,69.596 49.66,69.596 ; U5.17@48.26,12.954 57.387,12.954 58.928,14.495 v2(58.928,66.929) ; U3.1@49.53,73.152 49.53,69.726 49.66,69.596 ; C8.2@55.118,67.564 v2(55.118,68.58) R10.1@55.118,69.596 49.66,69.596
ADC_HAKKO: C24.1 R64.1 U5.24 U8.1 | length 11.2
  Bottom Layer w0.5: U5.24@35.56,18.034 v3(35.56,20.574)
  Bottom Layer w0.6: v2(65.913,17.907) 67.056,19.05 C24.1@68.834,19.05 68.834,14.097 U8.1@68.58,13.843
ADC_THERMAL: C20.1 R43.1 U5.23 U11.1 | length 20.1
  Bottom Layer w0.5: U5.23@38.1,18.034 v3(38.1,20.574)
  Bottom Layer w0.6: v2(65.786,35.306) C20.1@65.786,37.56 75.819,37.56 76.454,38.195 76.454,41.698 75.946,42.206 R43.1@75.946,42.386
Buz: R52.2 U5.11 | length 19.9
  Bottom Layer w0.5: R52.2@5.08,30.48 5.08,25.146 v1(6.096,24.13) ; v1(35.306,12.7) 35.306,12.446 43.113,4.639 43.113,2.861 U5.11@43.18,2.794
CS: PAD25.1 U5.8 | length 37.7
  Bottom Layer w0.6: PAD25.1@4.826,16.764 8.382,16.764 12.878,12.268 13.208,11.938 27.94,11.938 35.56,4.318 U5.8@35.56,2.54
DC: PAD24.1 U5.7 | length 33.9
  Bottom Layer w0.6: PAD24.1@4.826,14.224 8.128,14.224 12.39,9.962 27.122,9.962 33.02,4.064 U5.7@33.02,2.54
EA: PAD17.1 R69.2 U5.13 | length 18.6
  Bottom Layer w0.5: R69.2@43.688,9.398 43.688,7.366 U5.13@48.26,2.794 50.038,2.794 51.816,4.572 55.372,4.572 55.88,4.064 PAD17.1@55.88,2.54
EB: PAD18.1 R70.2 U5.14 | length 22.6
  Bottom Layer w0.5: R70.2@45.72,13.462 45.72,7.112 47.23,5.602 47.992,5.602 U5.14@48.26,5.334 49.784,5.334 50.546,6.096 56.642,6.096 58.42,4.318 PAD18.1@58.42,2.54
ESW: PAD26.1 R71.2 U5.12 | length 19.5
  Bottom Layer w0.5: R71.2@40.386,11.176 40.386,8.89 45.452,3.824 45.452,3.062 47.498,1.016 51.562,1.016 PAD26.1@53.213,2.667
GND: C7.2 C8.1 C9.2 C11.2 C12.2 C14.2 C15.1 C17.1 C18.2 C19.2 C20.2 C21.2 C22.2 C24.2 D4.3 D5.1 D6.1 PAD7.1 PAD19.1 PAD27.1 Q2.2 Q3.2 Q4.2 Q7.3 Q8.2 Q10.3 Q11.2 Q12.3 Q13.2 Q14.3 Q15.2 R25.2 R31.1 R32.1 R41.1 R45.2 R46.2 R47.2 R51.1 R53.1 R60.1 R66.2 T1.8 T1.9 T1.10 U3.4 U4.3 U5.4 U5.5 U5.29 U7.4 U7.5 U7.6 U7.7 U7.8 U7.9 U8.4 U9.1 U11.4 | length 397.2
  Top Layer w0.5: v1(46.33,85.395) 46.349,85.414 v1(50.077,85.414)
  Top Layer w0.6: v1(11.684,24.384) v1(15.239,14.986) ; v1(26.416,14.986) v1(44.704,16.002) ; v1(55.626,15.494) v1(64.77,15.494)
  Bottom Layer w0.4: 18.542,29.464 19.034,29.464 20.052,28.446 R53.1@21.209,28.446 ; R31.1@30.197,70.212 R32.1@30.197,72.752 30.197,72.932 31.213,73.948 D4.3@31.213,77.667 ; Q13.2@37.132,27.381 37.132,33.784 37.007,33.909 Q12.3@36.957,33.909 36.957,35.433 37.973,36.449 41.002,36.449 41.402,36.849 Q10.3@41.402,37.084 ; Q7.3@49.276,37.084 49.276,38.989 49.911,39.624 54.483,39.624 55.372,38.735 55.372,32.258 54.352,31.238 54.352,31.113 54.227,30.988 Q14.3@54.102,30.988 ; Q8.2@50.495,30.432 50.495,30.557 50.62,30.682 50.745,30.682 51.051,30.988 Q14.3@54.102,30.988 ; Q15.2@52.118,28.27 53.67,28.27 54.102,28.702 Q14.3@54.102,30.988
  Bottom Layer w0.5: 18.588,29.7 18.733,29.845 U7.4@21.209,29.845 ; U3.4@53.34,73.152 56.476,73.152 56.769,72.859 56.769,67.846 57.15,67.465 C8.1@57.15,67.31 ; Q2.2@55.677,75.613 54.356,76.934 54.356,78.232 52.832,79.756 51.308,79.756 49.784,81.28 49.784,85.121 v1(50.077,85.414) 54.032,85.414 56.388,83.058 56.388,81.788 58.42,79.756 58.42,77.216 59.233,76.403 Q3.2@59.233,75.613 ; R47.2@74.676,63.43 R45.2@76.553,63.43 R46.2@78.43,63.43
  Bottom Layer w0.6: PAD19.1@4.826,4.064 4.826,2.032 5.842,1.016 23.622,1.016 U5.4@25.4,2.794 U5.5@27.94,2.794 ; R31.1@30.197,70.212 30.197,68.863 35.814,63.246 35.814,55.429 35.463,55.078 C12.2@33.02,55.078 ; 45.466,85.598 45.466,87.884 49.628,92.046 U4.3@49.628,94.812 ; 56.6,15.96 57.785,17.145 57.785,62.17 57.785,64.135 57.15,64.77 C8.1@57.15,67.31 ; 63.833,39.592 C20.2@65.786,39.592 ; 64.389,27.305 63.754,26.67 63.754,12.319 64.389,11.684 66.802,11.684 ; 64.74,30.448 63.754,31.434 63.754,63.246 65.481,64.973 73.973,64.973 74.676,64.27 R47.2@74.676,63.43 ; R66.2@68.834,11.684 66.802,11.684 ; C24.2@70.866,19.05 75.438,19.05 76.2,18.288 U8.4@76.2,13.843 ; 80.518,46.736 80.518,45.212 81.534,44.196 81.534,1.778 80.772,1.016 67.31,1.016 66.294,2.032 66.294,11.176 66.802,11.684
  Bottom Layer w1.6: D6.1@24.865,39.778 24.892,39.751 D5.1@24.892,37.66
  other v1: 42.926,36.957 50.8,37.084 15.113,40.386 13.208,41.402 14.986,42.672
GND_PR: C1.2 C4.2 C5.1 C6.1 C14.1 DB1.4 R7.1 R9.1 T1.2 U1.3 U2.1 | length 113.9
  Top Layer w0.8: v1(21.815,115.894) v1(32.356,115.894)
  Bottom Layer w0.6: U1.3@36.547,94.939 36.547,93.034 37.182,92.399 40.992,92.399 42.358,93.765 42.358,97.575 43.688,98.905 43.688,110.023 41.627,112.084 C5.1@40.484,112.084
  Bottom Layer w0.8: C14.1@33.88,94.812 34.052,94.64 34.052,93.71 36.322,91.44 41.402,91.44 43.434,93.472 43.434,97.028 44.958,98.552 44.958,115.863 44.489,116.332 39.624,116.332
  Bottom Layer w1: C4.2@35.784,104.21 35.784,105.891 33.626,108.049 R7.1@33.626,108.655 33.626,111.068 31.975,112.719 31.975,115.513 v1(32.356,115.894) 32.545,115.894 32.983,116.332 39.624,116.332
  Bottom Layer w2: DB1.4@13.687,135.96 13.716,135.931 13.716,128.143
  Bottom Layer w2.4: 13.716,128.143 13.716,126.219 C1.2@15.405,124.53